# Altium PCB ie-track-kit-arduino-1.PcbDoc (part 3 of 3)
Units mm, origin at the board's own origin, x right, y up, seen from the top; angles counter-clockwise.
Board outline 115 x 212.3 mm, 2 copper layers (Top Layer, Bottom Layer), stack 1.571 mm thick; 281 components, 210 nets, 1109 pads, 342 vias.
Unrouted connection lines stored in the file: 36.
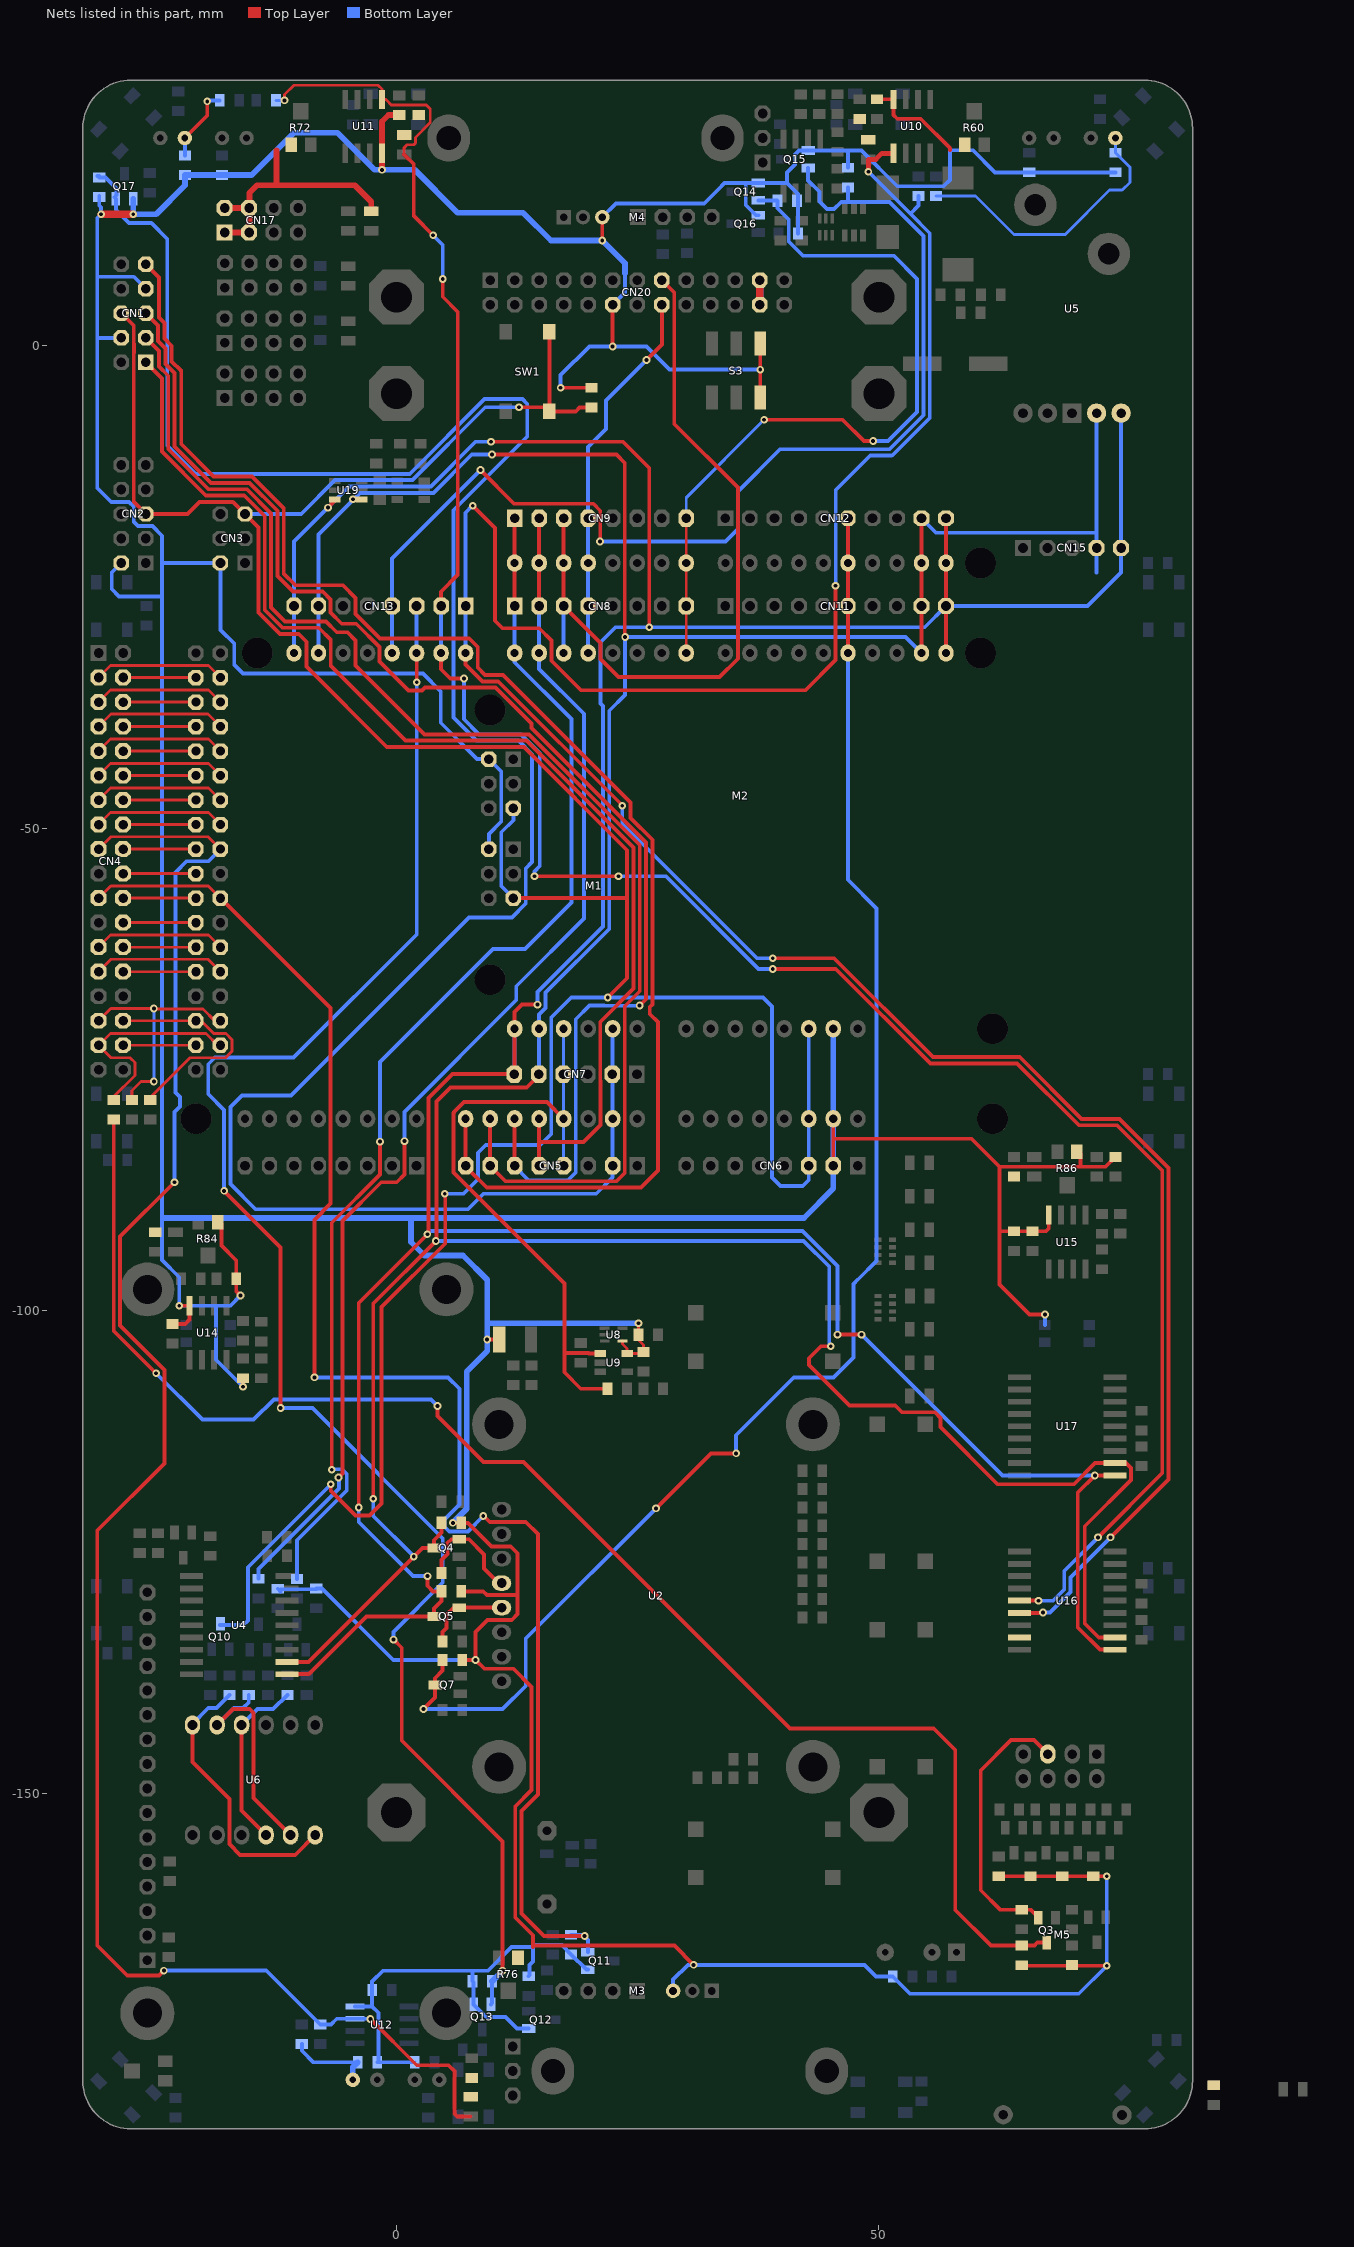
[diagram p3: the nets of this part, all layers, seen from the top]

## Via types
v1: diameter 0.8, hole 0.4, Top Layer to Bottom Layer, tented both sides, 219 vias
v2: diameter 1, hole 0.4, Top Layer to Bottom Layer, tented both sides, 123 vias

## Nets (pads, with @x,y where several pads share a name; then routed paths per layer and width w, separated by ;. In a path a pad name is that pad's centre, name@x,y a point inside that pad or via, vN(x,y) a via of type N, cw(c..) or ccw(c..) an arc to the next point about the centre after c; other vN are vias at no path point) (continued)
OLED_RESET: CN11.6 CN12.6 M1.D13 M2.D13 Q7.3 R18.1 U16.17 | length 158.7
  Top Layer w0.4: v1(2.8,-141.3) 4,-140.1 Q7.3@4,-138.8 4,-138.1 4.784,-137.316 R18.1@4.784,-136.2 ; v1(26.9,-120.5) 32.6,-114.8 v1(35.2,-114.8) ; M1.D13@46.789,-31.87 CN11.6@46.789,-27 M2.D13@46.789,-22.54 CN12.6@46.789,-17.9
  Bottom Layer w0.4: v1(2.8,-141.3) 11,-141.3 13.4,-138.9 13.4,-134 v1(26.9,-120.5) ; v1(35.2,-114.8) 35.2,-112.925 41.171,-106.954 45.271,-106.954 47.346,-104.879 47.346,-97.254 47.846,-96.754 47.854,-96.754 49.754,-94.854 49.754,-58.329 46.789,-55.364 M1.D13@46.789,-31.87
PA0_AD0_D22: CN4.3 M1.D22 | length 13.7
  Top Layer w0.3: CN4.3@-30.864,-34.41 -29.622,-33.168 -19.477,-33.168 M1.D22@-18.235,-34.41
PA1_AD1_D23: CN4.4 M1.D23 | length 7.5
  Top Layer w0.3: CN4.4@-28.324,-34.41 M1.D23@-20.775,-34.41
PA2_AD2_D24: CN4.5 M1.D24 | length 13.7
  Top Layer w0.3: CN4.5@-30.864,-36.95 -29.614,-35.7 -19.485,-35.7 M1.D24@-18.235,-36.95
PA3_AD3_D25: CN4.6 M1.D25 | length 7.5
  Top Layer w0.3: CN4.6@-28.324,-36.95 M1.D25@-20.775,-36.95
PA4_AD4_D26: CN4.7 M1.D26 | length 13.7
  Top Layer w0.3: CN4.7@-30.864,-39.49 -29.574,-38.2 -19.525,-38.2 M1.D26@-18.235,-39.49
PA5_AD5_D27: CN4.8 M1.D27 | length 7.5
  Top Layer w0.3: CN4.8@-28.324,-39.49 M1.D27@-20.775,-39.49
PA6_AD6_D28: CN4.9 M1.D28 | length 13.7
  Top Layer w0.3: CN4.9@-30.864,-42.03 -29.622,-40.788 -19.477,-40.788 M1.D28@-18.235,-42.03
PA7_AD7_D29: CN4.10 M1.D29 | length 7.5
  Top Layer w0.3: CN4.10@-28.324,-42.03 M1.D29@-20.775,-42.03
PB0_nSS_PCI0_D53: CN4.34 M1.D53 | length 7.5
  Top Layer w0.3: CN4.34@-28.324,-72.51 M1.D53@-20.775,-72.51
PB1_SCK_PCI1_D52: CN4.33 M1.D52 R6.1 | length 23
  Top Layer w0.3: R6.1@-29.3,-78.184 -29.3,-77.836 -27.094,-75.63 -27.094,-74.306 -27.6,-73.8 -29.574,-73.8 CN4.33@-30.864,-72.51 -29.634,-71.281 -19.736,-71.281 -18.506,-72.51 M1.D52@-18.235,-72.51
PB2_MOSI_PCI2_D51: CN4.32 M1.D51 R5.2 | length 24
  Top Layer w0.3: CN4.32@-28.324,-69.97 M1.D51@-20.775,-69.97 -20.263,-69.97 -18.927,-71.306 -17.668,-71.306 -17.031,-71.943 -17.031,-73.131 -17.7,-73.8 -21.4,-73.8 -25.5,-77.9 R5.2@-25.5,-78.184
PB3_MISO_PCI3_D50: CN4.31 M1.D50 R7.1 | length 24.9
  Top Layer w0.3: CN4.31@-30.864,-69.97 -29.594,-68.7 v1(-25.136,-68.7) -25.086,-68.75 -20.05,-68.75 -18.83,-69.97 M1.D50@-18.235,-69.97 ; R7.1@-27.4,-78.184 -27.4,-77.2 -26.464,-76.264 v1(-25.136,-76.264)
  Bottom Layer w0.3: v1(-25.136,-76.264) v1(-25.136,-68.7)
PC0_A8_D37: CN4.18 M1.D37 | length 7.5
  Top Layer w0.3: CN4.18@-28.324,-52.19 M1.D37@-20.775,-52.19
PC1_A9_D36: CN4.17 D23.2 M1.D36 R115.2 U12.7 | length 187.6
  Top Layer w0.3: CN4.17@-30.864,-52.19 -29.574,-50.9 -19.525,-50.9 M1.D36@-18.235,-52.19
  Top Layer w0.4: v1(-24.1,-168.4) -24.6,-168.9 -27.9,-168.9 -31,-165.8 -31,-122.8 -24.046,-115.846 -24.046,-106.146 -28.646,-101.546 -28.646,-92.346 v1(-23,-86.7) ; v1(-2.7,-173.4) 2.1,-178.2 5.4,-178.2 6,-178.8 6,-183.2 6.3,-183.5 7.7,-183.5
  Bottom Layer w0.4: v1(-24.1,-168.4) -13.484,-168.4 R115.2@-7.9,-173.984 -6.784,-173.984 -6.18,-173.38 U12.7@-4.294,-173.38 -2.72,-173.38 v1(-2.7,-173.4) ; v1(-23,-86.7) -23,-79.408 -22.446,-78.854 -22.446,-77.854 -22.9,-77.4 -22.9,-54.6 -21.744,-53.444 -19.489,-53.444 M1.D36@-18.235,-52.19
PC1_ADC1_PCI9_A1: CN5.2 CN7.2 M1.A1 M2.A1 Q17.2 R46.1 | length 240.4
  Bottom Layer w0.4: R46.1@-31,17.563 R46.1@-30.8,17.563 ; R46.1@-30.8,17.416 -30.166,17.416 -29,16.25 -29,15.6 Q17.2@-29.236,15.364 ; Q17.2@-29.071,15.2 -29.071,14.071 -27.7,12.7 -25.4,12.7 -23.75,11.05 -23.75,-10.35 -20.8,-13.3 1.375,-13.3 9.129,-5.546 13.054,-5.546 13.554,-6.046 13.554,-9.421 5.9,-17.075 5.9,-38.554 8.292,-40.946 12.646,-40.946 14.054,-42.354 14.054,-53.538 13.4,-54.192 13.4,-57.83 11.976,-59.254 7.508,-59.254 -10.938,-77.7 -16,-77.7 -17.2,-78.9 -17.2,-86.9 -14.6,-89.5 7.425,-89.5 9.025,-87.9 20.7,-87.9 22.405,-86.195 CN5.2@22.405,-85 M1.A1@22.405,-80.13 M2.A1@22.405,-70.8
PC2_A10_D35: CN4.16 M1.D35 | length 7.5
  Top Layer w0.3: CN4.16@-28.324,-49.65 M1.D35@-20.775,-49.65
PC3_A11_D34: CN4.15 M1.D34 | length 13.7
  Top Layer w0.3: CN4.15@-30.864,-49.65 -29.614,-48.4 -19.485,-48.4 M1.D34@-18.235,-49.65
PC3_ADC3_PCI11_A3: CN5.4 CN7.4 M1.A3 M2.A3 R69.1 U9.1 | length 67.3
  Top Layer w0.4: M1.A3@17.325,-80.13 15.595,-78.4 7,-78.4 5.961,-79.439 5.961,-79.461 5.911,-79.511 5.911,-85.711 17.4,-97.2 17.4,-104.4 ; U9.1@21.1,-104.45 19.966,-104.45 19.916,-104.4 17.4,-104.4 ; R69.1@21.868,-108.1 19.1,-108.1 17.4,-106.4 17.4,-104.4
  Bottom Layer w0.3: CN5.4@17.325,-85 M1.A3@17.325,-80.13 M2.A3@17.325,-70.8
PC4_A12_D33: CN4.14 M1.D33 | length 7.5
  Top Layer w0.3: CN4.14@-28.324,-47.11 M1.D33@-20.775,-47.11
PC4_ADC4_SDA_PCI12_A4: CN7.5 CN11.9 CN12.9 CN13.7 CN15.4 M1.D20 M1.SDA M2.A4 M2.SDA Q4.3 R11.1 U4.2 U5.5 U16.2 U17.2 U19.4 | length 398.9
  Top Layer w0.4: U4.2@-11.347,-136.41 -9.11,-136.41 v1(1.8,-125.5) 2.7,-124.6 Q4.3@3.9,-124.6 3.9,-123.8 4.684,-123.016 R11.1@4.684,-122 ; v1(-4.492,-15.933) -3.717,-15.933 -3.65,-16 U19.4@-3.6,-15.95 ; v1(-2.4,-119.5) -2.4,-99.268 v1(4.084,-92.784) ; v1(9.9,-11.3) 22.795,-11.3 23.659,-12.164 v1@23.659,-30.2 ; CN7.5@14.76,-75.5 14.76,-75.64 13.5,-76.9 5.6,-76.9 4.146,-78.354 v1@4.146,-92.722 ; v1(45,-103.7) 43.992,-103.7 42.746,-104.946 42.746,-105.654 46.938,-109.846 51.687,-109.846 52.377,-110.536 55.788,-110.536 56.368,-111.116 56.368,-112.068 62.3,-118 70.2,-118 72.39,-115.81 U17.2@74.453,-115.81 75.613,-115.81 76.107,-116.304 76.107,-117.568 71.326,-122.349 71.326,-132.426 72.77,-133.87 U16.2@74.453,-133.87 ; M1.SDA@54.409,-31.87 CN11.9@54.409,-27 M2.SDA@54.409,-22.54 CN12.9@54.409,-17.9 ; v1(4.084,-92.784) v1@4.146,-92.722 ; v1(4.084,-92.784) 4.084,-92.8 4.146,-92.862 v1@4.146,-92.722
  Bottom Layer w0.4: M1.D20@-8.075,-31.87 -8.075,-27.075 CN13.7@-8,-27 ; CN13.7@-8.075,-27 -8.075,-19.579 -3.767,-15.271 3.835,-15.271 7.806,-11.3 v1(9.9,-11.3) ; v1(-2.4,-119.5) -2.4,-121.3 v1(1.8,-125.5) ; v1(4.084,-92.784) 42.176,-92.784 44.846,-95.454 44.846,-103.546 v1(45,-103.7) ; CN7.5@14.76,-75.5 14.76,-70.825 M2.A4@14.785,-70.8 14.785,-69.331 15.462,-68.654 15.462,-67.047 22.048,-60.461 22.048,-37.852 23.691,-36.209 23.691,-30.209 v1(23.7,-30.2) 52.739,-30.2 M1.SDA@54.409,-31.87 ; CN12.9@54.409,-17.9 55.909,-19.4 72.45,-19.4 72.55,-19.3 ; 72.55,-23.52 CN15.4@72.55,-20.98 72.55,-19.3 ; U5.5@72.55,-7.01 72.55,-19.3
PC5_A13_D32: CN4.13 M1.D32 | length 13.7
  Top Layer w0.3: CN4.13@-30.864,-47.11 -29.622,-45.868 -19.477,-45.868 M1.D32@-18.235,-47.11
PC5_ADC5_SCL_PCI13_A5: CN7.6 CN11.10 CN12.10 CN13.8 CN15.5 M1.D21 M1.SCL M2.A5 M2.SCL Q5.3 R13.1 U4.1 U5.6 U16.1 U17.1 U19.3 | length 410.1
  Top Layer w0.4: U4.1@-11.347,-137.68 -9.08,-137.68 -3.1,-131.7 Q5.3@3.9,-131.7 3.9,-130.884 4.684,-130.1 R13.1@4.684,-129.1 3.8,-129.1 3.22,-128.52 v1(3.22,-127.52) ; v1(-7.1,-16.8) -6.4,-16.1 U19.3@-6.4,-15.95 ; v1(-3.9,-120.4) -3.9,-99.2 v1(3.2,-92.1) 3.339,-91.961 3.339,-77.961 5.8,-75.5 CN7.6@12.22,-75.5 12.245,-75.475 M2.A5@12.245,-70.8 12.245,-69.055 13,-68.3 v1(14.608,-68.3) ; v1(9.8,-9.975) 23.475,-9.975 26.199,-12.699 v1(26.2,-29.2) ; v1(45.7,-102.5) v1(48.2,-102.5) ; M1.SCL@56.949,-31.87 CN11.10@56.949,-27 M2.SCL@56.949,-22.54 CN12.10@56.949,-17.9 ; U16.1@74.453,-135.14 72.9,-135.14 70.6,-132.84 70.6,-118.87 v1(72.37,-117.1) 72.39,-117.08 U17.1@74.453,-117.08
  Bottom Layer w0.4: M1.D21@-10.615,-31.87 CN13.8@-10.615,-27 -10.615,-20.315 v1(-7.1,-16.8) -4.917,-14.617 3.564,-14.617 8.206,-9.975 v1(9.8,-9.975) ; v1(-3.9,-120.4) -3.9,-121.9 1.72,-127.52 v1(3.22,-127.52) ; v1(3.2,-92.1) 3.554,-91.746 42.063,-91.746 45.7,-95.383 v1(45.7,-102.5) ; CN7.6@12.22,-75.5 12.22,-70.825 M2.A5@12.245,-70.8 ; v1(14.608,-68.3) 14.608,-66.976 21.394,-60.19 21.394,-37.345 21.151,-37.102 21.151,-30.749 22.7,-29.2 v1(26.2,-29.2) 54.749,-29.2 CN11.10@56.949,-27 71.61,-27 75.09,-23.52 CN15.5@75.09,-20.98 U5.6@75.09,-7.01 ; v1(48.2,-102.5) 62.8,-117.1 v1(72.37,-117.1)
PC6_A12_D31: CN4.12 M1.D31 | length 7.5
  Top Layer w0.3: CN4.12@-28.324,-44.57 M1.D31@-20.775,-44.57
PC7_A13_D30: CN4.11 M1.D30 | length 13.7
  Top Layer w0.3: CN4.11@-30.864,-44.57 -29.622,-43.328 -19.477,-43.328 M1.D30@-18.235,-44.57
PD0_RXD_PCI6_D0: CN8.1 CN9.1 M1.D0 M2.D0 R32.2 | length 128.1
  Top Layer w0.4: v1(-6.7,-116.5) -6.7,-90.9 -1.709,-85.909 v1(-1.709,-82.5) ; CN8.1@12.245,-27 M2.D0@12.245,-22.54 CN9.1@12.245,-17.9
  Bottom Layer w0.4: R32.2@-10.3,-127.809 -10.3,-123.8 -5.146,-118.646 -5.146,-116.939 -5.639,-116.446 -6.646,-116.446 v1(-6.7,-116.5) ; v1(-1.709,-82.5) -1.709,-74.229 9.996,-62.524 13.331,-62.524 18.124,-57.731 18.124,-38.699 12.245,-32.82 M1.D0@12.245,-31.87 CN8.1@12.245,-27
PD1_TXD_PCI17_D1: CN8.2 CN9.2 M1.D1 M2.D1 R28.2 | length 126.8
  Top Layer w0.4: v1(-6,-117.3) -5.6,-116.9 -5.6,-90.725 -1.58,-86.704 0.027,-86.704 0.831,-85.9 v1(0.831,-82.45) ; CN8.2@14.785,-27 M2.D1@14.785,-22.54 CN9.2@14.785,-17.9
  Bottom Layer w0.4: R28.2@-14.3,-127.793 -14.3,-126.8 -5.946,-118.446 -5.946,-117.354 v1(-6,-117.3) ; v1(0.831,-82.45) 0.831,-79.416 12.413,-67.834 12.413,-66.397 19.432,-59.378 19.432,-38.157 14.785,-33.51 M1.D1@14.785,-31.87 CN8.2@14.785,-27
PD2_INT0_PCI18_D2: CN8.3 CN9.3 CN20.15 M1.D2 M2.D2 | length 79.3
  Top Layer w0.4: CN9.3@17.325,-17.9 M2.D2@17.325,-22.54 CN8.3@17.325,-27 21.151,-30.826 21.151,-32.489 23.016,-34.354 33.478,-34.354 35.375,-32.457 35.375,-14.725 28.786,-8.136 28.786,5.484 CN20.15@27.5,6.77
  Bottom Layer w0.4: M1.D2@17.325,-31.87 CN8.3@17.325,-27
PD3_INT1_OC2B_PCI19_D3: CN8.4 CN9.4 CN20.16 M1.D3 M2.D3 | length 39.3
  Top Layer w0.4: v1(25.9,-1.5) 27.5,0.1 CN20.16@27.5,4.23
  Bottom Layer w0.4: M1.D3@19.865,-31.87 CN8.4@19.865,-27 M2.D3@19.865,-22.54 CN9.4@19.865,-17.9 19.865,-10.509 21.716,-8.658 21.716,-5.684 v1(25.9,-1.5)
PD7_AIN1_PCI23_D7: CN8.8 CN9.8 M1.D7 M2.D7 Q14.2 R40.1 | length 80.9
  Top Layer w0.3: M1.D7@30.025,-31.87 CN8.8@30.025,-27 M2.D7@30.025,-22.54 CN9.8@30.025,-17.9
  Top Layer w0.4: v1(38.1,-7.7) 46.234,-7.7 48.434,-9.9 v1(49.4,-9.9)
  Bottom Layer w0.3: CN9.8@30.025,-17.9 30.025,-15.775 v1(38.1,-7.7)
  Bottom Layer w0.4: Q14.2@37.5,15.037 39.447,15.037 R40.1@39.484,15 39.484,14.216 40.654,13.046 40.654,10.777 42.131,9.3 51.542,9.3 53.958,6.884 53.958,-6.884 50.942,-9.9 v1(49.4,-9.9)
PF4_ADC4_TCK_A4: CN1.1 CN5.5 M1.A4 | length 125.2
  Top Layer w0.4: CN1.1@-25.96,-1.75 -24.3,-3.41 -24.3,-11 -19.754,-15.546 -15.767,-15.546 -13.646,-17.667 -13.646,-27.404 -11.804,-29.246 -8.054,-29.246 -6.8,-30.5 -6.8,-33.2 0.946,-40.946 13.471,-40.946 24.554,-52.029 24.554,-66.646 21.126,-70.074 21.126,-76.188 21.151,-76.213 21.151,-80.788 19.39,-82.549 14.785,-82.549 ; CN5.5@14.785,-85 14.785,-82.549 ; M1.A4@14.785,-80.13 14.785,-82.549
PF5_ADC5_TMS_A5: CN1.5 CN5.6 M1.A5 | length 139.5
  Top Layer w0.4: CN1.5@-25.96,3.33 -24.7,2.07 -24.7,0.455 -23.946,-0.299 -23.946,-1.914 -22.992,-2.868 -22.992,-10.458 -19.212,-14.238 -15.225,-14.238 -12.338,-17.125 -12.338,-23.9 -10.738,-25.5 -7.633,-25.5 -6.821,-26.312 -6.821,-27.679 -5.672,-28.828 -4.164,-28.828 -1.741,-31.251 -1.741,-32.759 1.254,-35.754 2.646,-35.754 2.946,-35.454 10.284,-35.454 14.013,-39.183 14.013,-39.638 25.862,-51.487 25.862,-67.738 v1(25.2,-68.4) ; CN5.6@12.245,-85 M1.A5@12.245,-80.13
  Bottom Layer w0.4: CN5.6@12.245,-85 12.22,-85.025 13.695,-86.5 17.767,-86.5 18.586,-85.681 18.586,-69.814 20,-68.4 21.53,-68.4 21.547,-68.417 25.183,-68.417 v1(25.2,-68.4)
PF6_ADC6_TDO_A6: CN1.3 CN5.7 M1.A6 | length 140
  Top Layer w0.4: CN1.3@-25.96,0.79 -24.6,-0.57 -24.6,-2.185 -23.646,-3.139 -23.646,-10.729 -19.483,-14.892 -15.496,-14.892 -12.992,-17.396 -12.992,-27.133 -11.533,-28.592 -7.308,-28.592 -6.184,-29.716 -5.084,-29.716 -4.249,-30.551 -4.249,-33.151 2.892,-40.292 13.742,-40.292 25.208,-51.758 25.208,-66.917 23.659,-68.466 23.659,-85.741 22.8,-86.6 11.305,-86.6 CN5.7@9.705,-85 M1.A6@9.705,-80.13
PF7_ADC7_TDI_A7: CN1.9 CN5.8 M1.A7 | length 154.3
  Top Layer w0.4: CN1.9@-25.96,8.41 -24.6,7.05 -24.6,2.9 -24.046,2.346 -24.046,0.726 -23.292,-0.028 -23.292,-1.643 -22.338,-2.597 -22.338,-2.662 -22.3,-2.7 -22.3,-10.225 -18.941,-13.584 -14.954,-13.584 -11.684,-16.854 -11.684,-23.629 -10.467,-24.846 -5.554,-24.846 -4.249,-26.151 -4.249,-27.818 -1.697,-30.37 7.538,-30.37 8.419,-31.251 8.419,-33.384 9.181,-34.146 11.054,-34.146 24.254,-47.346 24.254,-48.954 26.516,-51.216 26.516,-68.276 26.246,-68.546 26.246,-69.254 27.1,-70.108 27.1,-85.5 25.346,-87.254 9.354,-87.254 7.212,-85.112 7.212,-85.047 CN5.8@7.165,-85 M1.A7@7.165,-80.13
PG0_nWR_D41: CN4.22 M1.D41 | length 7.5
  Top Layer w0.3: CN4.22@-28.324,-57.27 M1.D41@-20.775,-57.27
PG1_nRD_D40: CN4.21 M1.D40 Q11.2 R34.1 | length 161.4
  Top Layer w0.3: CN4.21@-30.864,-57.27 -29.594,-56 -19.505,-56 M1.D40@-18.235,-57.27
  Top Layer w0.4: M1.D40@-18.235,-57.27 -6.8,-68.705 -6.821,-68.726 -6.821,-88.921 -8.5,-90.6 v1(-8.5,-106.92) ; v1(9,-121.3) 9,-121.242 9.664,-121.906 13.4,-121.906 14.654,-123.16 14.654,-150.154 12.962,-151.846 12.962,-162.462 15.3,-164.8 v1(19.5,-164.8)
  Bottom Layer w0.4: v1(-8.5,-106.92) 5.362,-106.92 6.542,-108.1 6.542,-120.096 4.992,-121.646 4.992,-122.354 5,-122.362 5,-122.422 5.478,-122.9 7.4,-122.9 v1(9,-121.3) ; R34.1@18.1,-164.684 19.384,-164.684 v1(19.5,-164.8) 19.5,-164.9 19.834,-165.234 Q11.2@19.834,-166.5
PG2_ALE_D39: CN4.20 M1.D39 | length 7.5
  Top Layer w0.3: CN4.20@-28.324,-54.73 M1.D39@-20.775,-54.73
PH0_RXD2_D17: CN13.4 M1.D17 Q15.2 R42.1 | length 118.2
  Top Layer w0.4: v1(8.7,-12.9) 12.2,-16.4 20.4,-16.4 21.119,-17.119 21.119,-20.281 v1(21.1,-20.3)
  Bottom Layer w0.4: M1.D17@-0.455,-31.87 CN13.4@-0.455,-27.075 ; CN13.4@-0.455,-27 -0.455,-22.055 v1(8.7,-12.9) ; v1(21.1,-20.3) 34.1,-20.3 35.375,-19.025 35.375,-15.125 39.746,-10.754 51.084,-10.754 54.612,-7.226 54.612,11.363 51.096,14.879 46.8,14.879 ; Q15.2@42.65,18.4 42.65,17.104 43.827,15.927 43.827,14.918 44.599,14.146 45.359,14.146 46.092,14.879 46.8,14.879 ; R42.1@46.8,16.384 46.8,14.879
PH1_TXD2_D16: CN13.3 M1.D16 Q13.2 R36.1 | length 177.8
  Top Layer w0.4: v1(-17.854,-87.6) -12.002,-93.452 v1(-12.002,-110.098) ; v1(-0.3,-134.1) 0.546,-134.946 0.546,-144.546 11,-155 v1(11,-168.4) ; M1.D16@2.085,-31.87 2.1,-31.885 v1(2.1,-34.9)
  Bottom Layer w0.4: v1(-17.854,-87.6) -17.854,-79.221 -19.5,-77.575 -19.5,-74.473 -18.823,-73.796 -10.651,-73.796 2.1,-61.045 v1(2.1,-34.9) ; v1(-12.002,-110.098) -8.715,-110.098 4.8,-123.613 4.8,-128.2 -0.3,-133.3 v1(-0.3,-134.1) ; M1.D16@2.085,-31.87 CN13.3@2.085,-27.075 ; Q13.2@9.8,-171.9 9.916,-171.784 R36.1@9.916,-169.5
  Bottom Layer w0.6: R36.1@9.916,-169.5 11,-168.416 v1(11,-168.4)
PJ0_RXD3_PCI9_D15: CN13.2 D21.2 M1.D15 R103.2 U11.1 U16.14 | length 241
  Top Layer w0.3: v1(-11.6,25.4) -11.6,26 -10.631,26.969 -1.9,26.969 -1.495,26.564 U11.1@-1.495,25.494 -1.094,25.494 -0.5,24.9 3.1,24.9 3.5,24.5 3.5,23.1 1.966,21.566 1.966,20.966 1.8,20.8 1.1,20.8 0.8,20.5 0.8,19.784
  Top Layer w0.4: 0.8,19.784 1.8,18.784 1.8,13.425 v1(3.8,11.425) ; M1.D15@4.625,-31.87 4.625,-33.543 5.582,-34.5 v1(7,-34.5) ; CN13.2@4.625,-27 4.6,-26.975 4.6,-25.515 6.346,-23.769 6.346,3.5 4.8,5.046 v1(4.8,6.9) ; v1(14.3,-55) v1(23,-55) ; v1(39,-64.6) 45.525,-64.6 55.321,-74.396 64.321,-74.396 70.725,-80.8 74.666,-80.8 79.354,-85.488 79.354,-116.846 v1(72.7,-123.5) ; U16.14@64.547,-130.06 66.54,-130.06 v1(66.54,-130.07)
  Bottom Layer w0.3: R103.2@-12.495,25.4 v1(-11.6,25.4)
  Bottom Layer w0.4: v1(3.8,11.425) 4.8,10.425 v1(4.8,6.9) ; M1.D15@4.625,-31.87 CN13.2@4.625,-27 ; v1(7,-34.5) 7,-38.729 8.563,-40.292 12.917,-40.292 14.854,-42.229 14.854,-53.946 14.3,-54.5 v1(14.3,-55) ; v1(23,-55) 27.935,-55 37.535,-64.6 v1(39,-64.6) ; v1(66.54,-130.07) 68.03,-130.07 69.2,-128.9 69.2,-127 v1(72.7,-123.5)
PJ1_TXD3_PCI10_D14: CN13.1 D18.2 M1.D14 R99.2 U10.1 U16.15 | length 285.2
  Top Layer w0.4: M1.D14@7.165,-31.87 7.165,-33.055 8.91,-34.8 10.555,-34.8 23.4,-47.645 v1(23.4,-47.7) ; v1(7.9,-16.6) 10.2,-18.9 10.2,-28.525 10.975,-29.3 14.8,-29.3 16.071,-30.571 16.071,-32.671 19.122,-35.722 42.381,-35.722 45.503,-32.6 45.503,-24.903 v1(45.5,-24.9) ; v1(39,-63.5) 45.35,-63.5 55.592,-73.742 64.592,-73.742 70.996,-80.146 74.937,-80.146 80.008,-85.217 80.008,-117.492 v1(74,-123.5) ; U16.15@64.547,-131.33 66.97,-131.33 v1(67,-131.3)
  Top Layer w0.5: v1(48.9,18) 48.9,19.284 49.684,19.284 50.306,19.906 U10.1@51.495,19.906
  Bottom Layer w0.4: M1.D14@7.165,-31.87 CN13.1@7.165,-27.075 ; CN13.1@7.165,-27 7.165,-17.335 v1(7.9,-16.6) ; v1(23.4,-47.7) 23.4,-49.54 37.36,-63.5 v1(39,-63.5) ; v1(45.5,-24.9) 45.519,-24.881 45.519,-14.989 49.1,-11.408 51.308,-11.408 51.331,-11.431 55.266,-7.497 55.266,11.634 53.25,13.65 ; v1(48.9,18) 53.25,13.65 ; R99.2@54.1,15.484 54.1,14.5 53.25,13.65 ; v1(67,-131.3) 67.725,-131.3 69.854,-129.171 69.854,-127.646 v1(74,-123.5)
PL2_T5_D47: CN4.28 M1.D47 | length 7.5
  Top Layer w0.3: CN4.28@-28.324,-64.89 M1.D47@-20.775,-64.89
PL3_OC5A_D46: CN4.27 M1.D46 | length 13.7
  Top Layer w0.3: CN4.27@-30.864,-64.89 -29.574,-63.6 -19.525,-63.6 M1.D46@-18.235,-64.89
PL4_OC5B_D45: CN4.26 M1.D45 | length 7.5
  Top Layer w0.3: CN4.26@-28.324,-62.35 M1.D45@-20.775,-62.35
PL5_OC5C_D44: CN4.25 M1.D44 | length 13.7
  Top Layer w0.3: CN4.25@-30.864,-62.35 -29.614,-61.1 -19.485,-61.1 M1.D44@-18.235,-62.35
PL6_D43: CN4.24 M1.D43 | length 7.5
  Top Layer w0.3: CN4.24@-28.324,-59.81 M1.D43@-20.775,-59.81
PROX_FL_A: Q22.2 R74.2 R102.1 | length 7.9
  Top Layer w0.4: Q22.2@-21.93,21.5 -19.6,23.83 v1(-19.6,25.3)
  Bottom Layer w0.3: Q22.2@-21.93,21.5 Q22.2@-21.9,21.47
  Bottom Layer w0.4: R74.2@-21.9,19.7 Q22.2@-21.9,21.47 ; v1(-19.6,25.3) -19.5,25.4 R102.1@-18.316,25.4
PROX_FR_A: Q21.2 R70.2 R98.1 | length 29.2
  Bottom Layer w0.3: R98.1@55.9,15.484 60.016,15.484 64,11.5 69.3,11.5 73.9,16.1 75.2,16.1 76,16.9 76,18.476 R70.2@74.5,19.976 Q21.2@74.5,21.5